# Altium PCB LimePSB-RPCM_1v2.PcbDoc (part 8 of 10)
Units mm, origin at the board's own origin, x right, y up, seen from the top; angles counter-clockwise.
Board outline 170 x 110 mm, 6 copper layers (Top, L2, L3, L4, L5, Bottom), stack 1.583 mm thick; 800 components, 483 nets, 3453 pads, 1534 vias.
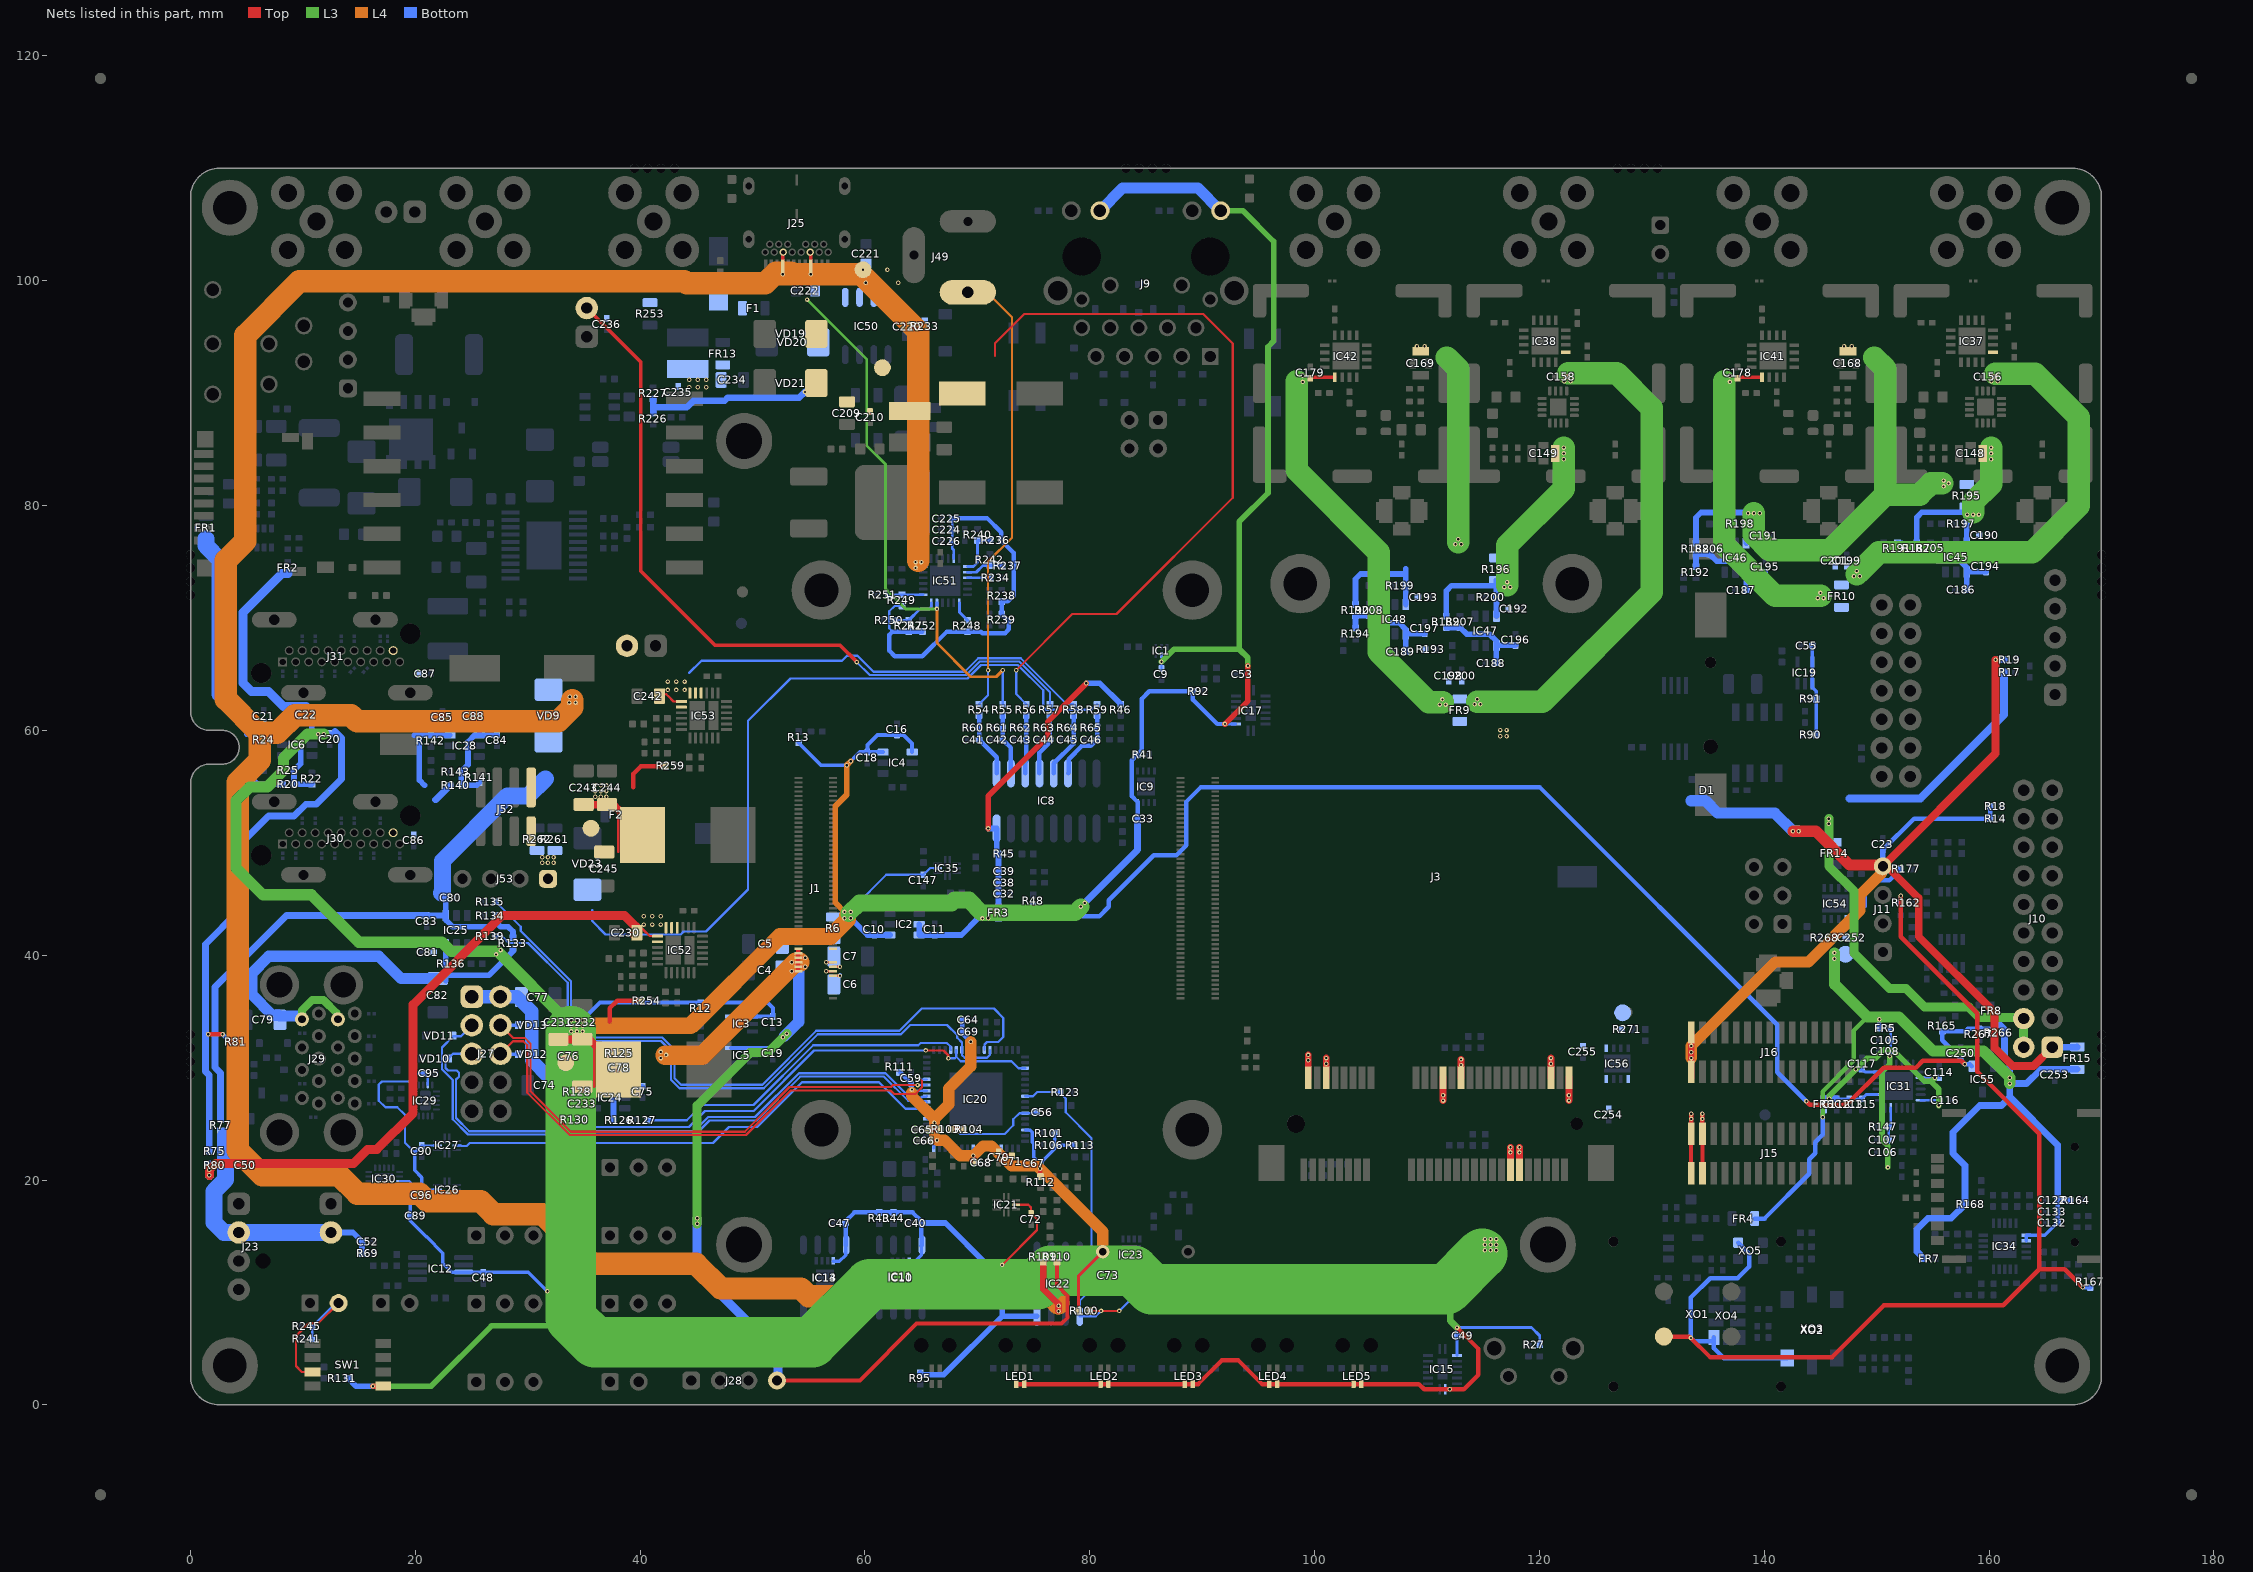
[diagram p12: the nets of this part, all layers, seen from the top]

## Via types
v1: diameter 0.4, hole 0.2, Top to Bottom, tented both sides, 1514 vias
v2: diameter 0.5, hole 0.2, Top to Bottom, tented both sides, 20 vias

## Nets (pads, with @x,y where several pads share a name; then routed paths per layer and width w, separated by ;. In a path a pad name is that pad's centre, name@x,y a point inside that pad or via, vN(x,y) a via of type N, cw(c..) or ccw(c..) an arc to the next point about the centre after c; other vN are vias at no path point) (continued)
USB_HUB_D3_P: IC20.7 IC27.4 | length 45.2
  Bottom w0.2: IC27.4@23.675,23.075 24.075,23.075 24.125,23.025 24.576,23.025 24.851,23.3 46.476,23.3 47.901,24.725 50.426,24.725 54.401,28.7 61.25,28.7 63.6,26.35 65.02,26.35 65.07,26.4 65.45,26.4 IC20.7@65.5,26.45
USB_HUB_D4_N: IC20.8 J27.3 VD11.A | length 56.1
  Bottom w0.2: J27.3@25.029,33.768 24.061,32.8 23.375,32.8 22.375,31.8 22.375,29.85 23.325,28.9 23.325,25.4 24.675,24.05 44.925,24.05 46.175,25.3 50.349,25.3 54.249,29.2 61.701,29.2 63.851,27.05 65.02,27.05 65.07,27 65.45,27 IC20.8@65.5,26.95
USB_HUB_D4_P: IC20.9 J27.5 VD10.A | length 54.1
  Bottom w0.2: J27.5@25.029,31.225 23.35,31.225 22.675,30.55 22.675,29.974 22.913,29.737 23.688,29.737 23.875,29.55 23.875,29.2 23.625,28.95 23.625,25.524 24.799,24.35 44.801,24.35 46.051,25.6 50.225,25.6 54.125,29.5 61.825,29.5 63.975,27.35 65.02,27.35 65.07,27.4 65.45,27.4 IC20.9@65.5,27.45
USB_HUB_D5_N: IC20.11 J27.4 VD13.A | length 47.6
  Top w0.2: J27.4@27.571,33.768 28.693,32.646 29.729,32.646 30.25,32.125 30.25,27.899 33.849,24.3 49.301,24.3 53.276,28.275 62.325,28.275 62.5,28.45 v1(64.675,28.45)
  Bottom w0.2: v1(64.675,28.45) IC20.11@65.5,28.45
  Bottom w0.3: J27.4@27.584,33.78 VD13.A@29.144,33.78
USB_HUB_D5_P: IC20.12 J27.6 VD12.A | length 49.3
  Top w0.2: J27.6@27.571,31.225 28.693,32.346 29.604,32.346 29.95,32.001 29.95,27.775 33.725,24 49.425,24 53.4,27.975 57.5,27.975 62.275,27.975 62.6,27.65 64.475,27.65 65.075,28.25 65.075,28.8 64.925,28.95 v1(64.675,28.95)
  Bottom w0.2: v1(64.675,28.95) IC20.12@65.5,28.95
  Bottom w0.3: J27.6@27.603,31.194 VD12.A@29.144,31.194
USB_HUB_I2C_SDA: IC20.40 IC22.5 IC23.5 R100.1 R123.1 | length 33.8
  Top w0.2: R100.1@80,8.35 v1(81,8.35) v1(82.625,8.35)
  Bottom w0.2: IC20.40@74.25,27.45 74.95,27.45 75.325,27.825 77.275,27.825 77.85,27.25 77.85,26.025 80.15,23.725 80.15,10.301 79.105,9.256 IC22.5@79.105,7.875 80.525,7.875 v1(81,8.35) ; v1(82.625,8.35) 84.45,10.175 IC23.5@84.45,11.95
USB_HUB_OCS23: IC20.22 IC20.27 R139.2 | length 59.3
  Bottom w0.2: R139.2@27.158,41.68 27.733,41.68 28.333,41.08 30.02,41.08 33.55,37.55 33.55,35.324 33.1,34.874 33.1,32.85 33.575,32.375 41.85,32.375 42.75,31.475 42.75,28.926 43.501,28.175 50.999,28.175 55.799,32.975 63.199,32.975 64.024,33.8 67.3,33.8 68.2,32.9 68.2,32.65 68.625,32.225 IC20.22@68.625,31.575 68.64,31.56 68.64,31.11 68.875,30.875 70.85,30.875 71.125,31.15 IC20.27@71.125,31.575
USB_HUB_OCS45: IC20.21 IC20.35 R130.2 | length 45.2
  Top w0.2: v1(65.4,31.525) 66.975,31.525 67.425,31.075 v1(67.425,30.825)
  Bottom w0.2: R130.2@33.7,25.375 34.35,24.725 44.35,24.725 45.775,26.15 50.1,26.15 55.475,31.525 v1(65.4,31.525) ; v1(67.425,30.825) 67.975,30.825 68.125,30.975 ; IC20.21@68.125,31.575 68.125,30.975 ; IC20.35@74.25,29.95 73.65,29.95 73.025,30.575 68.525,30.575 68.125,30.975
USB_HUB_PRTPWR_23: IC20.26 R135.2 | length 64.3
  Bottom w0.2: R135.2@27.158,44.755 29.375,42.538 29.375,42.149 33.85,37.674 33.85,35.2 33.4,34.75 33.4,32.974 33.699,32.675 41.974,32.675 43.05,31.599 43.05,29.05 43.625,28.475 50.875,28.475 55.675,33.275 63.075,33.275 65.05,35.25 71.475,35.25 72.3,34.425 72.3,32.725 71.85,32.275 70.85,32.275 70.625,32.05 IC20.26@70.625,31.575
USB_HUB_PRTPWR_45: IC20.20 R127.2 | length 30.2
  Bottom w0.2: R127.2@40.666,25.329 44.154,25.329 45.5,26.675 50.075,26.675 55.4,32 64.75,32 64.95,32.2 67.275,32.2 67.575,31.9 67.575,31.625 IC20.20@67.625,31.575
USB_HUB_RST: C56.2 IC20.43 R103.1 R104.1 | length 9.3
  Top w0.6: R103.1@67.675,24.5 R104.1@68.775,24.5
  Bottom w0.2: v1(68.25,24.35) 68.5,24.1 72.425,24.1 73.2,24.875 73.2,25.4 73.75,25.95 IC20.43@74.25,25.95 75.15,25.95 C56.2@75.25,26.05
USB_PD_3V3: C224.2 C225.1 C226.1 IC51.23 R236.1 R237.1 R238.1 R239.1 R247.2 R248.2 R249.2 R252.1 | length 38.3
  Bottom w0.2: 62.455,68.795 62.166,69.084 62.166,70.591 62.645,71.07 R249.2@63.291,71.07
  Bottom w0.25: C225.1@67.766,78.845 C224.2@67.766,77.845 C226.1@67.766,76.845 67.766,76.17 67.9,76.036 IC51.23@67.9,75.291
  Bottom w0.4: R252.1@65.116,68.795 R247.2@63.891,68.795 62.455,68.795 62.175,68.515 62.175,67.075 62.65,66.6 65.1,66.6 67.295,68.795 R248.2@69.116,68.795 70.305,68.795 70.45,68.65 72.46,68.65 72.8,68.99 72.8,69.711 R239.1@72.166,70.345 R238.1@72.166,71.47 72.72,71.47 73.216,71.966 R237.1@73.216,74.67 73.216,75.795 R236.1@72.116,76.895 72.116,77.634 70.855,78.895 67.866,78.895 67.816,78.845 C225.1@67.766,78.845
USB_PD_HPI_INT: IC51.7 R248.1 | length 1.9
  Bottom w0.25: IC51.7@68.4,71.359 68.4,70.511 R248.1@69.116,69.795
USB_PD_HPI_SDA: IC51.12 R247.1 R250.1 | length 4.1
  Bottom w0.25: R250.1@62.666,69.795 R247.1@63.891,69.795 64.891,70.795 65.741,70.795 65.9,70.954 IC51.12@65.9,71.359
USB_PD_HPI_SLC: IC51.13 R249.1 R251.1 | length 3.1
  Bottom w0.25: R251.1@62.071,72.075 IC51.13@65.184,72.075
USB_PD_I: J48.2 R241.1 R245.1 SW1.3 | length 13.7
  Top w0.2: SW1.3@10.85,2.93 9.895,2.93 9.375,3.45 9.375,6.125 10.5,7.25 11.37,7.25 J48.2@13.17,9.05
  Bottom w0.2: R241.1@10.825,5.875 R245.1@10.825,6.975 12.9,9.05 J48.2@13.17,9.05
USB_VBUS_IN: C220.2 C221.2 IC50.7 IC50.8 IC51.18 J25.A4 J25.A9 J25.B4 J25.B9 R109.2 R233.2 TP2.1 VD9.K | length 278.7
  Top w0.3: v1(52.675,100.575) J25.A9@52.675,101.295 J25.B4@52.675,102.495 ; v1(55.175,100.575) J25.A4@55.175,101.295 J25.B9@55.175,102.495
  Top w0.6: R109.2@75.85,12.675 75.85,10.325 77.225,8.95 v1(77.225,8.825) v1(77.225,8.325)
  L4 w2: 33.975,62.7 33.975,62.075 32.7,60.8 14.825,60.8 14.275,61.35 9.275,61.35 7.7,59.775 6.15,59.775 ; 52.062,100.725 53.454,100.725 ; 64.75,75.075 64.75,95.5 59.675,100.575 v1(55.175,100.575) v1(52.675,100.575) 51.912,100.575 51.112,99.775 44.125,99.775 43.936,99.964 9.689,99.964 4.875,95.15 4.875,76.85 3.15,75.125 3.15,62.775 6.15,59.775 ; 77.2,9.05 76.575,9.675 54.975,9.675 54.3,10.35 47.175,10.35 44.975,12.55 35.75,12.55 31.325,16.975 26.95,16.975 25.825,18.1 21.075,18.1 20.375,18.8 14.85,18.8 13.225,20.425 6.4,20.425 4.2,22.625 4.2,55.375 6.15,57.325 6.15,59.775
  other v1: 33.7,62.475 34.25,62.475 33.725,63 34.25,63 64.5,74.45 64.5,74.975 65.025,74.975 60.075,99.825 62.95,99.825 59.825,100.975 62,100.975
VBUS_FET_EN: IC51.3 R234.2 | length 2
  Bottom w0.25: IC51.3@69.116,73.575 71.111,73.575 R234.2@71.116,73.57
VBUS_MAX: IC51.2 R237.2 R242.2 | length 3.3
  Bottom w0.25: IC51.2@69.116,74.075 69.9,74.075 70.495,74.67 R242.2@71.116,74.67 R237.2@72.216,74.67
VBUS_MIN: IC51.1 R236.2 R240.1 | length 4.1
  Bottom w0.25: IC51.1@69.116,74.575 69.646,74.575 70.016,74.945 R240.1@70.016,76.895 R236.2@71.116,76.895
VCC1P5: C255.2 IC56.1 J3.6 J3.28 J3.48 R271.2 TP6.1 | length 5.1
  Top w0.6: J3.6@101.025,29.1 v1(101.025,30.35) v1(101.025,30.85) ; J3.28@113.025,29.1 v1(113.025,30.225) v1(113.025,30.725) ; J3.48@121.025,29.1 v1(121.025,30.35) v1(121.025,30.85)
VCC1P8_RPI: C6.2 J1.88 J1.90 | length 1.3
  Top w0.2: v1(56.555,38.575) J1.88@57.165,38.575 ; J1.90@57.165,38.175 v1(57.775,38.175)
  Bottom w0.35: v1(57.775,38.175) C6.2@57.775,38.236
VCC2P5_VREF: C250.2 IC55.1 R48.1 R165.2 R266.1 R267.1 | length 115.7
  Top w0.4: v1(143.75,27) 144.05,26.7 147.325,26.7 150.625,30 153.5,30 154.101,30.601 157.54,30.601 v1(157.846,30.295)
  Bottom w0.4: R48.1@74.976,44.36 75.886,43.45 80.832,43.45 81.691,44.309 81.691,44.891 85.7,48.9 87.707,48.9 88.6,49.793 88.6,53.675 89.85,54.925 120.05,54.925 141.157,33.818 141.157,29.593 v1(143.75,27) ; IC55.1@158.475,30.125 158.305,30.295 v1(157.846,30.295) 157.483,30.657 C250.2@157.483,30.795 155.849,32.429 R165.2@155.849,33.239 157.914,33.239 158.125,33.45 R267.1@159.1,33.45 160.05,33.45 R266.1@160.375,33.125
VCC3P3: BZ1.1 C9.1 C10.1 C11.1 C13.1 C16.1 C18.1 C20.1 C22.2 C23.1 C33.1 C40.1 C47.1 C48.1 C49.2 C53.2 C59.1 C64.2 C65.1 C66.1 C67.1 C68.1 C69.1 C70.1 C71.2 C72.1 C73.1 C89.1 C90.1 C95.1 C96.1 C147.1 C231.2 C232.2 C233.2 C254.2 D1.A1 FR2.2 FR3.1 FR15.1 IC1.5 IC2.1 IC2.5 IC2.6 IC3.1 IC3.5 IC4.1 IC4.6 IC6.1 IC9.8 IC10.8 IC11.8 IC12.3 IC13.8 IC14.8 IC15.10 IC15.16 IC17.10 IC17.16 IC20.5 IC20.10 IC20.24 IC20.46 IC20.52 IC20.57 IC20.64 IC21.9 IC22.8 IC23.8 IC26.9 IC27.9 IC29.17 IC30.17 IC35.9 IC56.5 IC56.8 J1.78 J3.2 J3.24 J3.39 J3.41 J3.52 J9.15 J9.17 J10.1 J11.4 J15.14 J15.15 J16.15 L9.2 LED1.1 LED1.2 LED2.1 LED2.2 LED3.1 LED3.2 LED4.1 LED4.2 LED5.1 LED5.2 R6.2 R12.1 R13.1 R14.2 R18.2 R19.1 R20.2 R22.2 R25.1 R27.1 R41.2 R43.2 R44.2 R75.1 R81.1 R92.1 R95.2 R100.2 R101.1 R103.2 R106.2 R111.2 R112.2 R113.2 R131.2 R254.1 SW1.5 TP3.1 | length 863.4
  Top w0.2: 35.925,28.3 35.925,32.075 ; v1(72.2,12.45) 75.3,15.55 75.3,16.5 74.975,16.825 74.925,16.825 74.775,16.975 C72.1@74.775,17.025 74.775,17.55 74.525,17.8 IC21.9@73.425,17.8
  Top w0.3: C66.1@65.775,23.55 v1(66.4,23.55) ; R103.2@66.675,24.5 R103.2@66.699,24.524 ; R100.2@79,8.35 79,11.475 BZ1.1@81.15,13.625
  Top w0.35: J15.15@133.5,20.625 J15.15@133.5,24.125 ; J15.14@134.5,20.625 J15.14@134.5,24.125
  Top w0.4: v1(1.575,32.975) v1(2.85,32.975) ; 37.275,34.075 37.275,35.275 37.948,35.948 40.084,35.948 R254.1@40.091,35.948 R254.1@40.098,35.948 ; C65.1@65.575,24.475 66.65,24.475 R103.2@66.675,24.5 ; v1(69.625,22.15) 69.625,21.75 69.725,21.65 69.725,21.6 69.775,21.55 C68.1@69.825,21.55 ; C70.1@71.875,22.525 71.925,22.475 71.925,22.35 v1(72.125,22.15) C71.2@73.075,22.15 ; LED1.1@73.46,1.853 LED1.2@74.16,1.853 ; 73.875,1.85 80.96,1.85 LED2.1@80.96,1.853 LED3.1@88.46,1.853 89.628,1.853 91.725,3.95 93.225,3.95 95.322,1.853 103.175,1.853 ; v1(75.575,21) 75.575,20.356 R112.2@75.625,20.306 ; LED5.1@103.46,1.853 104.16,1.853 LED5.2@104.16,1.85 ; LED5.2@104.308,1.85 109.275,1.85 109.741,1.384 v1(112.025,1.384) 113.284,1.384 114.575,2.675 114.575,4.975 v1(112.675,6.875) ; J15.15@133.5,24.125 v1(133.5,25.437) v1(133.5,25.9) ; J15.14@134.5,24.125 v1(134.5,25.437) v1(134.5,25.9)
  Top w0.5: v1(16.225,1.65) SW1.5@17.14,1.65 ; v1(92.025,60.575) 94.064,62.614 v1(94.064,65.75)
  Top w0.6: J3.2@99.425,29.1 v1(99.425,31.125) ; v1(111.425,27.075) J3.24@111.425,29.1 ; J3.39@117.425,20.9 v1(117.425,22.925) ; J3.41@118.225,20.9 v1(118.225,22.925) ; v1(122.625,27.075) J3.52@122.625,29.1 ; J16.15@133.5,29.1 J16.15@133.5,29.625 v1(133.5,31.375) J16.15@133.5,33.125
  Top w0.7: C231.2@33.05,32.525 33.063,32.512 35.162,32.512 35.175,32.5 35.5,32.5 35.925,32.075 36.025,31.975 36.425,31.975 38.075,30.325 L9.2@38.075,29.825 ; J11.4@150.495,47.97 J11.4@150.605,47.97 ; J11.4@150.55,47.914 J11.4@150.605,47.97 ; v1(160.582,66.282) 160.582,57.946 J11.4@150.605,47.97 ; J10.1@165.62,31.82 163.95,30.15 162.1,30.15 160.5,31.75 160.5,34.9 153.75,41.65 153.75,45.075 150.855,47.97 J11.4@150.605,47.97
  Top w1: v1(142.55,51.025) v1(143.05,51.025) 144.6,51.025 147.6,48.025 150.439,48.025 150.495,47.97 J11.4@150.55,47.914
  L3 w0.5: v1(16.225,1.65) 21.4,1.65 26.775,7.025 32.675,7.025 ; v1(86.375,66.106) 87.494,67.225 93.3,67.225 ; J9.15@91.64,106.225 93.625,106.225 96.35,103.5 96.35,94.625 95.85,94.125 95.85,81.125 93.3,78.575 93.3,67.225 ; v1(94.064,65.75) 94.064,66.461 93.3,67.225
  L3 w0.6: 112.075,9.2 112.075,7.475 v1(112.675,6.875)
  L3 w1: v1(11.85,59.675) v1(11.35,59.675) 10.4,59.675 8.275,57.55 8.275,56.43 6.82,54.975 5.275,54.975 4.05,53.75 4.05,47.775 6.45,45.375 10.75,45.375 14.975,41.15 22.375,41.15 23.175,40.35 27.3,40.35 33.55,34.1
  L3 w1.5: 58.55,43.7 59.5,44.65 67.7,44.65 67.95,44.9 69.25,44.9 70.375,43.775 78.675,43.775 v1@79.212,44.312
  L3 w4.5: v1@33.825,33.225 33.825,10.1 33.825,7.7 35.95,5.575 55.3,5.575 60.45,10.725 72.2,10.725 75.325,10.725 76.513,11.913 83.888,11.913 85.525,10.275 111.725,10.275 114.9,13.45
  L4 w0.5: v1(58.175,43.85) 57.35,44.675 57.35,53.25 58.375,54.275 v1(58.375,56.9) v1(58.725,57.25)
  L4 w1: 64.15,27.775 64.15,27.475 66.175,25.45 ; v1(69.4,32.3) 69.4,30.1 67.45,28.15 67.45,26.725 66.175,25.45 ; BZ1.1@81.15,13.625 81.15,15.425 v1(75.575,21) 75.325,21.25 73.025,21.25 v1(72.125,22.15) 71.25,23.025 70.5,23.025 v1(69.625,22.15) 68.475,22.15 67.075,23.55 v1(66.4,23.55) 66.175,23.775 v1(66.175,25.1) 66.175,25.45 ; v1(133.5,30.85) v1(133.5,31.925) 140.975,39.4 143.925,39.4 148.525,44 148.525,45.375 150.435,47.285 150.435,47.799 J11.4@150.55,47.914
  L4 w1.5: 34.075,33.725 44.5,33.725 52.425,41.65 56.935,41.65 58.45,43.165 58.45,43.55
  Bottom w0.2: IC30.17@18.6,19.925 19.425,19.925 20,19.35 20.375,19.35 C96.1@20.575,19.15 IC26.9@21.975,19.15 ; 19.95,22.45 19.075,23.325 19.075,25.8 18.4,26.475 17.334,26.475 16.75,27.059 16.75,28.5 17.025,28.775 19.525,28.775 20.25,29.5 C95.1@20.75,29.5 20.8,29.5 20.95,29.35 20.95,29.3 21.1,29.15 IC29.17@21.1,28.452 ; C90.1@20.575,23.075 IC27.9@21.975,23.075 ; 59.05,44.3 61.9,47.15 C147.1@65.2,47.15 65.2,47.2 65.35,47.35 65.4,47.35 65.8,47.75 IC35.9@66.473,47.75 ; IC20.5@65.5,25.45 65.825,25.45 v1(66.175,25.1) ; IC20.64@66.125,22.825 66.125,23.275 v1(66.4,23.55) ; v1(69.4,32.3) 69.625,32.075 IC20.24@69.625,31.575 ; v1(69.625,22.15) IC20.57@69.625,22.825 ; v1(72.125,22.15) IC20.52@72.125,22.825 ; C9.1@86.375,65.5 v1(86.375,66.106) IC1.5@86.375,66.712
  Bottom w0.25: v1(64.175,28.05) 64.275,27.95 IC20.10@65.5,27.95 ; v1@92.025,60.57 IC17.10@93.014,60.57 ; IC17.16@94.064,63.57 v1(94.064,65.75) ; IC15.16@111.625,1.384 v1(112.025,1.384) ; IC15.10@112.675,4.384 v1(112.675,6.875) 119.3,6.875 120.025,6.15 R27.1@120.025,5.355
  Bottom w0.3: C96.1@20.425,19 19.55,18.125 19.55,16.375 20.975,14.95 21,14.95 22.446,13.504 22.446,12.579 23.225,11.8 IC12.3@24.3,11.8 C48.1@26.05,11.8 30.05,11.8 v1(31.75,10.1) ; C96.1@20.575,19.15 20.575,20.225 19.95,20.85 19.95,22.45 20.425,22.925 20.475,22.925 20.575,23.025 C90.1@20.575,23.075 ; IC14.8@57.175,12.775 57.725,12.775 58.273,13.323 IC13.8@58.273,14.168 ; IC11.8@63.925,12.775 64.475,12.775 65.023,13.323 IC10.8@65.023,14.168 ; IC20.46@74.25,24.45 74.674,24.45 74.875,24.249 74.875,23.375 75.025,23.225 75.025,22.025 C67.1@75.425,21.625 ; C67.1@75.575,21.475 76.875,22.775 R106.2@76.875,23.075 ; R101.1@76.875,24.175 R106.2@76.875,23.075 ; R113.2@78.65,23.1 76.9,23.1 R106.2@76.875,23.075 ; BZ1.1@81.15,13.625 81.15,12.475 81.525,12.1 81.575,12.1 81.725,11.95 IC23.8@82.95,11.95
  Bottom w0.35: v1(34.875,34.225) 36.425,35.775 51.325,35.775 51.8,35.3 C13.1@51.8,34.55 IC3.5@48.06,34.551 ; R13.1@54.1,58.9 56.1,56.9 v1(58.375,56.9) 59.55,58.075 C18.1@60.213,58.075 ; IC4.6@61.6,58.075 C18.1@60.213,58.075 ; IC4.1@64.2,58.075 64.2,58.825 63.425,59.6 C16.1@62.85,59.6 61.125,59.6 60.213,58.688 C18.1@60.213,58.075
  Bottom w0.4: 1.25,32.975 1.325,32.975 v1(1.575,32.975) ; v1(2.85,32.975) R81.1@3.525,32.3 ; IC13.8@58.273,14.168 58.292,14.187 58.292,14.955 58.273,14.974 58.273,16.327 59.06,17.115 R43.2@61.27,17.115 R44.2@62.54,17.115 64.235,17.115 65.023,16.327 65.023,14.974 65.042,14.955 65.042,14.187 IC10.8@65.023,14.168 ; R111.2@63.15,29.575 63.25,29.475 63.25,29.45 64.025,28.675 64.075,28.675 64.125,28.625 C59.1@64.125,28.575 64.175,28.525 v1(64.175,28.05) ; C64.2@68.675,34.25 68.675,33.025 v1(69.4,32.3) ; v1(75.575,21) C67.1@75.575,21.475 ; C33.1@84.25,52.149 IC9.8@84.25,53.6 84.25,53.638 83.75,54.138 83.75,57.351 R41.2@84.25,57.851 84.625,58.226 84.625,62.8 85.3,63.475 R92.1@89.175,63.475 89.175,62.725 91.33,60.57 v1@92.025,60.57 ; C23.1@150.55,49.375 153.325,52.15 R14.2@160.1,52.15 R18.2@160.1,53.25
  Bottom w0.5: R20.2@9.2,55.213 R25.1@9.2,56.438 9.81,57.048 9.81,59.074 10.4,59.664 10.4,59.673 C20.1@12.385,59.673 ; R20.2@9.213,55.2 R22.2@10.8,55.2 ; IC6.1@10.8,59.675 C22.2@10.8,61.373 ; R131.2@14.012,2.374 14.736,1.65 v1(16.225,1.65) ; v1(58.725,43.3) 60.225,41.8 C10.1@60.838,41.8 IC2.1@62.225,41.8 ; IC2.5@64.825,42.75 IC2.6@64.825,41.8 C11.1@66.212,41.8 68.575,41.8 70.06,43.285 v1(70.968,43.285) FR3.1@71.876,43.285 ; R95.2@64.91,2.853 65.088,2.675 67,2.675 72.2,7.875 ; C40.1@65.025,16.175 67.15,16.175 70.875,12.45 v1(72.2,12.45) 72.2,7.875 ; IC22.8@75.295,7.875 72.2,7.875 ; J11.4@150.55,47.914 C23.1@150.55,49.375
  Bottom w0.6: R75.1@1.675,22.578 1.675,29.3 1.325,29.65 1.325,32.975 1.325,40.975 4.275,43.925 4.275,49.7 6.95,52.375 9.2,52.375 10.25,53.425 11.175,53.425 13.425,55.675 13.425,59.333 12.854,59.904 ; v1(79.2,44.325) 84.25,49.375 C33.1@84.25,52.149 ; v1(160.582,66.282) R19.1@161.332,66.282 ; J10.1@165.62,31.82 167.82,31.82 FR15.1@167.85,31.85
  Bottom w0.8: FR2.2@8.65,73.952 8.127,73.952 4.675,70.5 4.675,64.2 5.425,63.45 6.951,63.45 8.253,62.148 10.253,62.148 C22.2@10.951,61.45
  Bottom w1: J9.17@80.9,106.225 82.925,108.25 89.615,108.25 J9.15@91.64,106.225 ; D1.A1@133.475,53.738 D1.A1@133.758,53.738 134.762,53.738 135.85,52.65 140.925,52.65 v1(142.55,51.025) v1(143.05,51.025)
  other v1: 115.15,13.75 115.65,13.75 116.15,13.75 115.15,14.25 115.65,14.25 116.15,14.25 115.15,14.75 115.65,14.75 116.15,14.75 117.425,22.45 118.225,22.45 111.425,27.55 122.625,27.55 99.425,30.65 33.875,33.225 34.375,33.225 34.875,33.225 33.875,33.725 34.375,33.725 34.875,33.725 33.875,34.225 34.375,34.225 27.175,40.075 27.579,40.454 70.45,43.275 58.175,43.3 58.725,43.85 79.55,44.65
VCC3P3_CLK: C122.2 C132.1 C133.1 C252.2 C253.2 FR4.1 FR5.1 FR6.1 FR7.1 FR8.2 FR15.2 IC34.16 IC34.17 IC54.1 R164.2 R168.2 R177.1 R266.2 R268.2 TP5.1 | length 106.5
  L3 w0.4: v1(145.199,25.589) 145.199,27.874 147.975,30.65 147.975,33.301 149.174,34.501
  L3 w1: v1(146.25,40.2) v1(146.25,39.688) 146.25,37.425 149.174,34.501 151.999,34.501 155.025,31.475 159.481,31.475 v1(161.85,29.106) v1(161.85,28.581)
  Bottom w0.3: IC34.17@163.3,14.6 IC34.16@163.3,15.1 164.024,15.1 164.95,15.1 166.05,16.2 C132.1@166.1,16.2
  Bottom w0.4: FR4.1@139.15,16.575 140.025,16.575 144,20.55 144,21.85 144.525,22.375 144.525,23.375 145.199,24.049 v1(145.199,25.589) ; v1(145.199,25.589) FR6.1@145.2,26.225 ; 148.062,43.488 148.95,44.375 148.95,45.8 149.8,46.65 151.115,46.65 R177.1@152.14,47.675 ; FR5.1@150.25,33.5 v1(150.251,34.3) ; C132.1@166.1,16.2 C133.1@166.1,17.2 C122.2@166.1,18.2 R164.2@167.225,18.2